# KiCad board ProDocument_ZYNQ7020_V1_2024-04-10.kicad_pcb (continued)
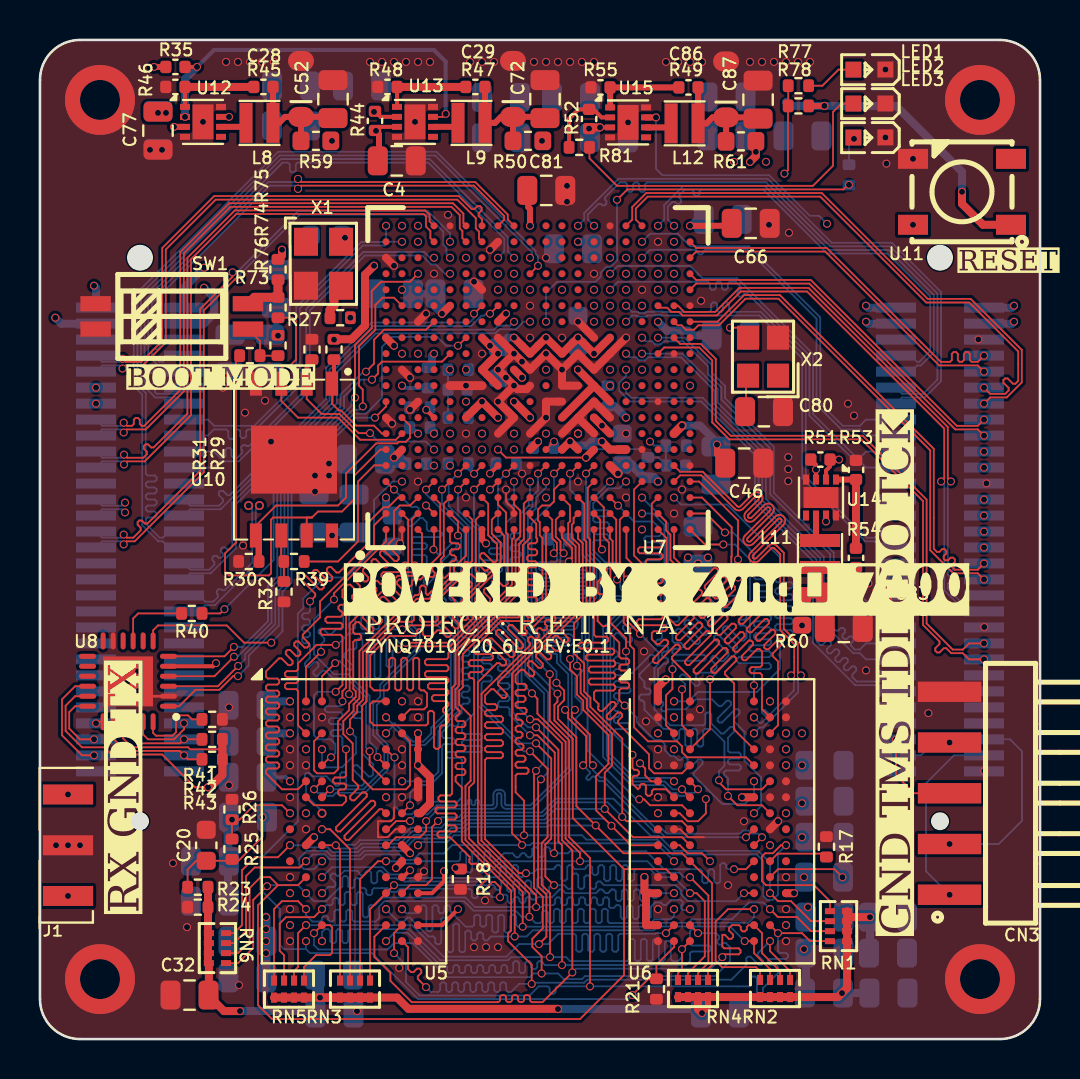
[diagram p0: board, top side]
## Routing (per net, layer and track width the routed paths; a pad name or vN(x,y) marks a point on that pad's centre or on a via; arc(x,y) is an arc through that point) (continued)
BIO_3_P: length 20.4
  BOTTOM w0.09: CN2.39 8.7,28.6 9.01,28.91 9.94,28.91 13.49,32.46 13.49,36.46 16.24,39.21 19.12,39.21 19.56,38.77 19.78,38.77 20.25,38.3 v1(20.5,38.3)
BIO_4_N: length 27.9
  TOP_GND w0.09: U7.D20 19.48,40.92 19.48,41.25 19.26,41.47 9.74,41.47 7.37,39.1 7.37,31.3 5.68,29.61 5.55,29.61 5.4,29.76 5.28,29.76 5.19,29.68 5.19,29.55 5.34,29.4 5.34,29.27 5.16,29.09 4.36,29.09 v1(4.2,29.24)
  BOTTOM w0.09: CN2.42 3.11,29.09 4.05,29.09 v1(4.2,29.24)
BIO_4_P: length 27.9
  TOP_GND w0.09: U7.D19 19.52,40.08 19.52,40.44 19.3,40.66 19.3,41.17 19.18,41.29 9.82,41.29 7.55,39.02 7.55,31.22 5.24,28.91 4.36,28.91 v1(4.2,28.75)
  BOTTOM w0.09: CN2.40 3.11,28.91 4.05,28.91 v1(4.2,28.75)
BIO_5_N: length 31.1
  TOP_GND w0.09: v1(4.18,25.25) 4.34,25.09 4.66,25.09 5.03,25.46 5.03,25.59 4.88,25.74 4.88,25.87 4.97,25.95 5.09,25.95 5.25,25.8 5.37,25.8 8.01,28.44 8.01,36.54 9.63,38.15 v1(9.63,38.37)
  BOTTOM w0.09: CN2.32 3.11,25.09 4.03,25.09 v1(4.18,25.25) ; v1(9.63,38.37) 9.85,38.37 12.91,41.44 19.39,41.44 20.5,40.33 v1(20.5,39.9)
BIO_5_P: length 31.1
  TOP_GND w0.09: v1(4.18,24.76) 4.34,24.91 4.74,24.91 8.19,28.36 8.19,36.46 9.75,38.03 v1(9.97,38.03)
  BOTTOM w0.09: v1(4.18,24.76) 4.03,24.91 3.11,24.91 CN2.30 ; v1(20.5,39.1) 20.32,39.28 20.32,39.61 20.16,39.76 20.16,40.41 19.31,41.26 12.99,41.26 9.97,38.25 v1(9.97,38.03)
BIO_12_N: length 42.3
  BOTTOM w0.09: v1(24.5,39.1) 24.6,39.2 24.6,39.37 19.75,44.22 11.98,44.22 4.87,37.11 4.87,32.75 5.29,32.33 5.29,28.29 5.38,28.2 5.74,28.2 5.83,28.11 5.83,27.99 5.74,27.9 5.38,27.9 5.29,27.81 5.29,27.69 5.38,27.6 5.74,27.6 5.83,27.51 5.83,27.39 5.74,27.3 5.38,27.3 5.29,27.21 5.29,27.09 5.38,27 5.74,27 5.83,26.91 5.83,26.79 5.74,26.7 5.38,26.7 5.29,26.61 5.29,26.49 5.38,26.4 5.74,26.4 5.83,26.31 5.83,26.19 5.74,26.1 5.38,26.1 5.29,26.01 5.29,25.79 5.99,25.09 6.14,25.09 6.45,25.4 CN2.31
BIO_12_P: length 40.7
  TOP_GND w0.09: U7.K17 v1(24.9,38.7)
  BOTTOM w0.09: v1(24.9,38.7) 24.9,39.17 24.78,39.29 24.78,39.45 19.83,44.4 11.9,44.4 5.11,37.61 4.69,37.19 4.69,32.67 5.11,32.25 5.11,25.71 5.91,24.91 6.14,24.91 6.45,24.6 CN2.29
BIO_13_N: length 26.4
  SIGNAL2 w0.09: v1(22.9,38.3) 22.59,37.99 22.46,37.99 21.96,37.49 20.64,37.49 20.24,37.89 18.74,37.89 18.44,38.19 15.91,38.19 9.41,31.69 9.41,30.64 5.46,26.69 4.41,26.69 v1(4.25,26.84)
  BOTTOM w0.09: v1(4.25,26.84) 4.1,26.69 3.11,26.69 CN2.36
BIO_13_P: length 26.4
  SIGNAL2 w0.09: v1(22.9,37.5) 22.59,37.81 22.54,37.81 22.04,37.31 20.56,37.31 20.16,37.71 18.66,37.71 18.36,38.01 15.98,38.01 9.59,31.62 9.59,30.56 5.54,26.51 4.41,26.51 v1(4.25,26.35)
  BOTTOM w0.09: CN2.34 3.11,26.51 4.1,26.51 v1(4.25,26.35)
BIO_14_N: length 32.3
  BOTTOM w0.09: CN2.49 6.89,32.29 5.84,32.29 5.75,32.37 5.75,32.5 6.05,32.8 6.05,32.92 5.97,33.01 5.84,33.01 5.54,32.71 5.42,32.71 5.23,32.9 5.23,33.25 5.32,33.34 5.59,33.34 5.68,33.43 5.68,33.55 5.59,33.64 5.32,33.64 5.23,33.73 5.23,36.96 12.13,43.86 12.4,43.86 12.49,43.77 12.49,43.47 12.58,43.38 12.7,43.38 12.79,43.47 12.79,43.77 12.88,43.86 19.41,43.86 23.21,40.06 23.21,39.41 v1(22.9,39.1)
BIO_14_P: length 30.8
  BOTTOM w0.09: v1(23.7,39.1) 23.39,39.41 23.39,40.14 19.49,44.04 12.05,44.04 5.05,37.04 5.05,32.82 5.76,32.11 6.89,32.11 CN2.47
BIO_15_N: length 28.7
  TOP_GND w0.09: v1(4.19,30.84) 4.34,30.69 4.6,30.69 4.69,30.78 4.69,30.99 4.78,31.08 4.9,31.08 4.99,30.99 4.99,30.78 5.08,30.69 5.21,30.69 7.01,32.49 7.01,39.39 9.45,41.83 20.65,41.83 21.17,41.31 21.17,40.83 U7.F20
  BOTTOM w0.09: v1(4.19,30.84) 4.03,30.69 3.11,30.69 CN2.46
BIO_15_P: length 28.7
  TOP_GND w0.09: U7.F19 21.12,40.08 21.12,40.44 20.99,40.57 20.99,41.23 20.57,41.65 9.53,41.65 7.19,39.31 7.19,32.41 5.29,30.51 4.34,30.51 v1(4.19,30.36)
  BOTTOM w0.09: v1(4.19,30.36) 4.03,30.51 3.11,30.51 CN2.44
BIO_17_N: length 26.5
  TOP_GND w0.09: v1(12.9,42.55) 13.05,42.71 21.69,42.71 23.21,41.19 23.21,41.01 U7.H20
  BOTTOM w0.09: v1(12.9,42.55) 12.75,42.71 11.49,42.71 5.59,36.81 5.59,34.91 5.68,34.82 5.9,34.82 5.99,34.73 5.99,34.61 5.9,34.52 5.68,34.52 5.59,34.43 5.59,34.29 5.99,33.89 6.14,33.89 6.45,34.2 CN2.53
BIO_17_P: length 26.8
  TOP_GND w0.09: v1(12.9,43.05) 13.05,42.89 21.76,42.89 23.39,41.26 23.39,41.01 U7.J20
  BOTTOM w0.09: v1(12.9,43.05) 12.75,42.89 11.41,42.89 5.41,36.89 5.41,34.21 5.91,33.71 6.14,33.71 6.45,33.4 CN2.51
BIO_18_N: length 27.1
  TOP_GND w0.09: U7.G20 22.1,41.03 21.93,41.19 21.93,41.32 22.08,41.47 22.08,41.6 22,41.68 21.87,41.68 21.72,41.53 21.59,41.53 20.94,42.19 8.71,42.19 6.11,39.59 6.11,34.94 5.06,33.89 4.28,33.89 v1(4.13,34.04)
  BOTTOM w0.09: v1(4.13,34.04) 3.97,33.89 3.11,33.89 CN2.54
BIO_18_P: length 27.1
  TOP_GND w0.09: U7.G19 21.95,40.05 21.95,40.41 21.79,40.57 21.79,41.08 20.86,42.01 8.79,42.01 6.29,39.51 6.29,34.86 5.14,33.71 4.28,33.71 v1(4.13,33.55)
  BOTTOM w0.09: CN2.52 3.11,33.71 3.97,33.71 v1(4.13,33.55)
BIO_19_N: length 21
  TOP_GND w0.09: v1(21.7,36.3) U7.G15
  BOTTOM w0.09: CN2.35 7.51,26.69 8.95,26.69 9.15,26.88 9.15,27.01 8.94,27.22 8.94,27.35 9.02,27.43 9.15,27.43 9.36,27.22 9.49,27.22 14.3,32.04 14.3,33.59 16.57,35.86 21.48,35.86 21.7,36.08 v1(21.7,36.3)
BIO_19_P: length 21
  TOP_GND w0.09: U7.H15 v1(22.5,36.3)
  BOTTOM w0.09: v1(22.5,36.3) 22.3,36.3 22.2,36.2 22.07,36.2 21.55,35.68 16.65,35.68 14.48,33.51 14.48,31.96 9.03,26.51 7.51,26.51 CN2.33
BIO_20_N: length 24.8
  BOTTOM w0.09: v1(23.7,35.9) 23.5,35.7 22.9,35.7 22.7,35.5 16.72,35.5 14.66,33.44 14.66,31.89 9.61,26.84 9.61,24.64 9.48,24.51 9.35,24.51 9.25,24.61 9.13,24.61 9.04,24.53 9.04,24.4 9.14,24.3 9.14,24.17 9.06,24.08 8.93,24.08 8.83,24.19 8.7,24.19 8.62,24.1 8.62,23.97 8.72,23.87 8.72,23.75 8.46,23.49 7.51,23.49 CN2.27
BIO_20_P: length 24.8
  BOTTOM w0.09: CN2.25 7.51,23.31 8.54,23.31 9.79,24.56 9.79,26.76 14.84,31.81 14.84,33.36 16.8,35.32 22.77,35.32 22.97,35.52 23.79,35.52 24.17,35.9 v1(24.5,35.9)
BIO_22_P: length 20.7
  TOP_GND w0.09: v1(28.85,42) 29.37,42.52 40.17,42.52 40.4,42.75 v1(40.45,42.75)
  BOTTOM w0.09: v1(28.85,42) 28.85,38.98 28.51,38.64 28.32,38.64 28.03,38.35 28.03,38.16 27.77,37.9 25.85,37.9 25.3,37.35 v1(25.3,35.9)
BIO_24_N: length 28.4
  SIGNAL2 w0.09: v1(23.7,37.5) 23.55,37.34 23.22,37.34 22.75,36.88 15.36,36.88 10.61,32.13 10.61,26.88 v2(10.43,26.7)
  BOTTOM w0.09: CN2.23 7.95,22.2 8.26,21.89 8.66,21.89 8.89,22.12 8.89,22.25 8.84,22.3 8.84,22.43 8.93,22.51 9.05,22.51 9.11,22.46 9.23,22.46 10.61,23.84 10.61,26.52 v2(10.43,26.7)
BIO_24_P: length 29
  SIGNAL2 w0.09: v1(24.5,37.5) 24.32,37.32 23.99,37.32 23.84,37.17 23.29,37.17 22.83,36.7 15.44,36.7 10.79,32.05 10.79,26.88 v2(10.97,26.7)
  BOTTOM w0.09: CN2.21 7.95,21.4 8.26,21.71 8.74,21.71 10.79,23.76 10.79,26.52 v2(10.97,26.7)
DDR_A0: length 65.3
  TOP_GND w0.09: RN4.2 32.4,3.3 33.24,4.14 33.24,6.89 32.83,7.3 v1(32.5,7.3) ; v1(24.3,8.3) 23.95,8.3 22.25,10 22.25,13.85 22.25,13.97 22.34,14.06 23.06,14.06 23.15,14.15 23.15,14.27 23.06,14.36 22.34,14.36 22.25,14.45 22.25,14.57 22.34,14.66 23.06,14.66 23.15,14.75 23.15,14.87 23.06,14.96 22.34,14.96 22.25,15.05 22.25,15.17 22.34,15.26 23.06,15.26 23.15,15.35 23.15,15.47 23.06,15.56 22.34,15.56 22.25,15.65 22.25,15.77 22.34,15.86 23.06,15.86 23.15,15.95 23.15,16.07 23.06,16.16 22.34,16.16 22.25,16.25 22.25,16.37 22.34,16.46 22.76,16.46 22.85,16.55 22.85,16.67 22.76,16.76 22.34,16.76 22.25,16.85 22.25,17.2 22.56,17.51 22.69,17.51 23.12,17.07 23.25,17.07 23.34,17.15 23.34,17.28 22.9,17.72 22.9,17.84 26.96,21.91 26.96,24.73 26.59,25.1 26.59,25.74 26.68,25.83 26.68,26.08 U7.N2
  BOTTOM w0.09: v1(32.5,7.3) 31.7,8.1 30.91,8.1 30.51,8.5 29.8,8.5 29.71,8.41 29.71,8 29.62,7.91 29.5,7.91 29.41,8 29.41,8.61 29.32,8.7 29.2,8.7 29.11,8.61 29.11,8 29.02,7.91 28.9,7.91 28.81,8 28.81,8.61 28.72,8.7 28.6,8.7 28.51,8.61 28.51,8 28.42,7.91 28.3,7.91 28.21,8 28.21,8.61 28.12,8.7 28,8.7 27.91,8.61 27.91,8.3 27.82,8.21 27.7,8.21 27.61,8.3 27.61,8.61 27.52,8.7 27.4,8.7 27.31,8.61 27.31,8.59 27.22,8.5 26.75,8.5 26.66,8.59 26.66,8.61 26.57,8.7 26.45,8.7 26.36,8.61 26.36,8.02 26.27,7.93 26.15,7.93 26.06,8.02 26.06,8.61 25.97,8.7 25.85,8.7 25.76,8.61 25.76,8.59 25.67,8.5 24.85,8.5 24.65,8.3 v1(24.3,8.3) 24.1,8.1 24,8.1 23.91,8.19 23.91,8.62 23.82,8.71 23.7,8.71 23.61,8.62 23.61,8.19 23.52,8.1 23.4,8.1 23.31,8.19 23.31,8.57 23.22,8.66 23.1,8.66 23.01,8.57 23.01,8.19 22.92,8.1 22.5,8.1 22.28,7.88 18.22,7.88 18.1,8 17.87,8 17.82,8.05 17.42,8.05 17.05,8.42 16.95,8.42 16.86,8.33 16.86,7.88 16.77,7.79 16.65,7.79 16.56,7.88 16.56,8.33 16.47,8.42 16.35,8.42 16.26,8.33 16.26,8.28 16.17,8.19 16.05,8.19 15.96,8.28 15.96,8.33 15.87,8.42 15.22,8.42 14.97,8.17 14.85,8.17 14.74,8.28 14.61,8.28 14.53,8.19 14.53,8.06 14.77,7.82 14.77,7.69 14.69,7.61 14.56,7.61 14.55,7.62 14.42,7.62 v1(14.1,7.3)
DDR_A1: length 64.8
  TOP_GND w0.09: RN2.1 36,3.4 35.8,3.6 34.1,3.6 33.78,3.92 33.78,5.88 34.4,6.5 v1(35.7,6.5) ; U7.K2 24.5,26.1 24.81,25.79 24.81,25.09 24.86,25.04 24.86,24.9 24.77,24.81 24.5,24.81 24.41,24.72 24.41,24.6 24.5,24.51 24.77,24.51 24.86,24.42 24.86,24.3 24.77,24.21 24.45,24.21 24.36,24.12 24.36,24 24.45,23.91 24.77,23.91 24.86,23.82 24.86,23.7 24.77,23.61 24.45,23.61 24.36,23.52 24.36,23.4 24.45,23.31 24.77,23.31 24.86,23.22 24.86,23.1 24.77,23.01 24.45,23.01 24.36,22.92 24.36,22.8 24.45,22.71 24.77,22.71 24.86,22.62 24.86,22.5 24.77,22.41 24.3,22.41 24.21,22.32 24.21,22.2 24.3,22.11 24.77,22.11 24.86,22.02 24.86,21.33 24.63,21.1 24.4,21.1 24.31,21.19 24.31,21.41 24.22,21.5 24.1,21.5 24.01,21.41 24.01,21.19 23.92,21.1 22.97,21.1 21.14,19.27 21.14,17.61 20.96,17.43 20.96,16.74 21.53,16.17 21.53,12.92 21.27,12.66 21.27,9.96 23.73,7.5 v1(23.73,5.13)
  BOTTOM w0.09: v1(17.3,6.5) 17.92,5.88 18.19,5.88 18.28,5.97 18.28,5.99 18.37,6.08 18.49,6.08 18.58,5.99 18.58,5.97 19.42,5.13 19.67,5.13 19.76,5.04 19.76,4.83 19.85,4.74 19.97,4.74 20.06,4.83 20.06,5.99 20.15,6.08 20.27,6.08 20.36,5.99 20.36,4.43 20.45,4.34 20.57,4.34 20.66,4.43 20.66,5.69 20.75,5.78 20.87,5.78 20.96,5.69 20.96,4.43 21.05,4.34 21.17,4.34 21.26,4.43 21.26,5.34 21.35,5.43 21.47,5.43 21.56,5.34 21.56,5.02 21.65,4.93 21.77,4.93 21.86,5.02 21.86,5.24 21.95,5.33 22.07,5.33 22.16,5.24 22.16,5.02 22.25,4.93 22.37,4.93 22.46,5.02 22.46,5.04 22.55,5.13 v1(23.73,5.13) 24.33,5.13 24.65,5.45 30.69,5.45 30.88,5.63 32.48,5.63 32.66,5.81 35.41,5.81 35.7,6.1 v1(35.7,6.5)
DDR_A2: length 65.3
  TOP_GND w0.09: v1(14.1,6.5) 13.7,6.1 12.3,6.1 11.98,5.78 11.98,4.42 12.2,4.2 RN5.2 ; U7.M3 26.5,26.7 26.5,25.9 26.41,25.81 26.41,25.03 26.78,24.66 26.78,23.3 26.69,23.21 25.9,23.21 25.81,23.12 25.81,23 25.9,22.91 26.69,22.91 26.78,22.82 26.78,22.7 26.69,22.61 25.9,22.61 25.81,22.52 25.81,22.4 25.9,22.31 26.69,22.31 26.78,22.22 26.78,21.98 26.53,21.73 26.41,21.73 26.27,21.86 26.15,21.86 26.06,21.78 26.06,21.65 26.19,21.52 26.19,21.39 26.11,21.31 25.98,21.31 25.74,21.55 25.62,21.55 25.53,21.46 25.53,21.33 25.77,21.1 25.77,20.97 25.68,20.88 25.56,20.88 25.46,20.98 25.33,20.98 25.25,20.9 25.25,20.77 25.34,20.67 25.34,20.54 25.26,20.46 25.13,20.46 25.04,20.56 24.91,20.56 24.82,20.47 24.82,20.34 24.92,20.25 24.92,20.12 24.84,20.04 24.71,20.04 24.61,20.13 24.48,20.13 24.4,20.05 24.4,19.92 24.5,19.82 24.5,19.7 22.07,17.27 22.07,9.93 24.8,7.2 v1(24.8,6.6)
  BOTTOM w0.09: v1(32.5,6.5) 32.47,6.53 32.35,6.53 32.27,6.45 32.15,6.45 32.06,6.53 32.06,6.66 32.14,6.74 32.14,6.86 32.03,6.96 31.56,6.97 31.31,6.71 31.16,6.71 31.04,6.83 30.76,6.83 30.54,6.61 30.54,6.1 30.45,6.01 30.33,6.01 30.24,6.1 30.24,6.61 30.15,6.7 30.03,6.7 29.94,6.61 29.94,6.1 29.85,6.01 29.73,6.01 29.64,6.1 29.64,6.61 29.55,6.7 29.43,6.7 29.34,6.61 29.34,6.1 29.25,6.01 29.13,6.01 29.04,6.1 29.04,6.61 28.95,6.7 28.83,6.7 28.69,6.57 28.52,6.57 28.46,6.63 28.46,7 28.37,7.09 28.25,7.09 28.16,7 28.16,6.79 28.07,6.7 27.95,6.7 27.86,6.79 27.86,7 27.77,7.09 27.65,7.09 27.56,7 27.56,6.79 27.47,6.7 27.35,6.7 27.26,6.79 27.26,7 27.17,7.09 27.05,7.09 26.96,7 26.96,6.79 26.87,6.7 26.75,6.7 26.66,6.79 26.66,7 26.57,7.09 26.45,7.09 26.36,7 26.36,6.79 26.27,6.7 26.15,6.7 26.06,6.79 26.06,7 25.97,7.09 25.85,7.09 25.76,7 25.76,6.79 25.67,6.7 25.2,6.7 25.1,6.6 v1(24.8,6.6) 21.75,6.6 21.27,7.08 17.13,7.08 16.75,6.7 16.52,6.7 16.43,6.61 16.43,6.18 16.34,6.09 16.22,6.09 16.13,6.18 16.13,7.27 16.04,7.36 15.92,7.36 15.83,7.27 15.83,6.79 15.74,6.7 15.62,6.7 15.53,6.79 15.53,7.27 15.44,7.36 15.32,7.36 15.23,7.27 15.23,6.79 15.14,6.7 15.02,6.7 14.93,6.79 14.93,6.97 14.84,7.06 14.72,7.06 14.63,6.97 14.63,6.79 14.54,6.7 14.3,6.7 v1(14.1,6.5)
DDR_A3: length 64.1
  TOP_GND w0.09: RN6.4 9.9,3.8 10.66,4.56 10.66,6.96 v1(11.35,7.65) ; v1(23,7.1) 23,7.6 22.74,7.86 22.61,7.86 22.08,7.33 21.96,7.33 21.87,7.41 21.87,7.54 22.4,8.07 22.4,8.2 21.82,8.78 21.7,8.78 21.68,8.76 21.55,8.76 21.47,8.85 21.47,8.98 21.48,8.99 21.48,9.12 20.51,10.09 19.96,10.09 19.87,10.18 19.87,10.3 19.96,10.39 20.74,10.39 20.83,10.48 20.83,10.6 20.74,10.69 20.41,10.69 20.32,10.78 20.32,10.9 20.41,10.99 20.74,10.99 20.83,11.08 20.83,11.2 20.74,11.29 19.86,11.29 19.77,11.38 19.77,11.5 19.86,11.59 20.74,11.59 20.83,11.68 20.83,11.8 20.74,11.89 20.01,11.89 19.92,11.98 19.92,12.1 20.01,12.19 20.51,12.19 20.6,12.28 20.6,17.58 20.78,17.76 20.78,19.42 23.96,22.6 23.96,24.79 24.19,25.02 24.19,26.79 U7.K3
  BOTTOM w0.09: v1(31.7,7.3) 30.98,7.3 30.89,7.21 30.89,7.15 30.8,7.06 30.68,7.06 30.59,7.15 30.59,7.4 30.5,7.49 30.38,7.49 30.29,7.4 30.29,7 30.2,6.91 30.08,6.91 29.99,7 29.99,7.4 29.9,7.49 29.78,7.49 29.69,7.4 29.69,7 29.6,6.91 29.48,6.91 29.39,7 29.39,7.4 29.3,7.49 29.18,7.49 29.09,7.4 29.09,7 29,6.91 28.88,6.91 28.79,7 28.79,7.4 28.7,7.49 28.58,7.49 28.49,7.4 28.49,7.39 28.4,7.3 28.28,7.3 28.19,7.39 28.19,7.4 28.1,7.49 27.98,7.49 27.89,7.4 27.89,7.39 27.8,7.3 26.28,7.3 26.19,7.39 26.19,7.4 26.1,7.49 25.98,7.49 25.89,7.4 25.89,7.39 25.6,7.1 24.9,7.1 24.78,6.98 24.6,6.98 24.48,7.1 24.36,7.1 24.27,7.01 24.27,6.9 24.18,6.81 24.06,6.81 23.97,6.9 23.97,7.01 23.88,7.1 23.76,7.1 23.67,7.01 23.67,6.9 23.58,6.81 23.46,6.81 23.37,6.9 23.37,7.16 23.31,7.23 23.13,7.23 v1(23,7.1) 22.6,7.1 22.18,7.52 21.98,7.52 21.89,7.43 21.89,7.14 21.8,7.05 21.68,7.05 21.59,7.14 21.59,7.43 21.5,7.52 17.99,7.52 17.84,7.36 17.56,7.36 17.38,7.55 16.7,7.55 16.61,7.46 16.61,7.29 16.52,7.2 16.4,7.2 16.31,7.29 16.31,7.46 16.22,7.55 16.1,7.55 16.01,7.64 16.01,7.96 15.92,8.05 15.8,8.05 15.71,7.96 15.71,7.64 15.62,7.55 15.5,7.55 15.41,7.64 15.41,8.06 15.32,8.15 15.2,8.15 15.11,8.06 15.11,7.64 15.02,7.55 14.95,7.55 14.3,6.9 13.7,6.9 v1(13.3,7.3) 12.9,7.7 11.4,7.7 v1(11.35,7.65)
DDR_A4: length 61.5
  TOP_GND w0.09: RN1.2 38.55,5.4 37.84,6.11 36.89,6.11 v1(36.5,6.5) ; v1(24.13,5.63) 24.13,7.36 21.45,10.04 21.45,12.59 21.71,12.85 21.71,17.97 21.62,18.06 21.52,18.06 21.43,18.15 21.43,18.27 21.52,18.36 22.05,18.36 22.14,18.45 22.14,18.57 22.05,18.66 21.52,18.66 21.43,18.75 21.43,18.87 21.52,18.96 22.55,18.96 22.64,19.05 22.64,19.17 22.55,19.26 21.8,19.26 21.71,19.35 21.71,19.59 23.05,20.92 24.7,20.92 25.12,21.34 25.12,25.08 24.99,25.21 24.99,25.86 24.9,25.95 24.9,26.5 25.1,26.7 25.5,26.7 25.7,26.9 25.7,27.5 U7.M4
  BOTTOM w0.09: v1(36.5,6.5) 36.16,6.84 35.44,6.84 34.6,6 32.59,5.99 32.41,5.82 30.81,5.81 30.62,5.63 v1(24.13,5.63) 23.9,5.63 23.81,5.72 23.81,6.13 23.72,6.22 23.6,6.22 23.51,6.13 23.51,5.42 23.42,5.33 23.3,5.33 23.21,5.42 23.21,6.13 23.12,6.22 23,6.22 22.91,6.13 22.91,5.42 22.82,5.33 22.7,5.33 22.61,5.42 22.61,6.13 22.52,6.22 22.4,6.22 22.31,6.13 22.31,5.72 22.22,5.63 22.1,5.63 22.01,5.72 22.01,6.13 21.92,6.22 21.8,6.22 21.71,6.13 21.71,5.72 21.62,5.63 21.28,5.63 20.52,6.39 20.52,6.6 20.43,6.69 20.31,6.69 20.22,6.6 20.22,6.39 20.13,6.3 20.01,6.3 19.92,6.39 19.92,6.6 19.83,6.69 19.71,6.69 19.62,6.6 19.62,5.5 19.53,5.41 19.41,5.41 19.32,5.5 19.32,6.6 19.23,6.69 19.11,6.69 19.02,6.6 19.02,6.39 18.93,6.3 18.3,6.3 v1(18.1,6.5)
DDR_A5: length 65.4
  TOP_GND w0.09: v1(24.47,6.12) 24.47,7.28 21.89,9.85 21.89,17.86 22.85,18.81 22.98,18.81 23.09,18.69 23.22,18.69 23.31,18.78 23.31,18.9 22.38,19.84 22.38,19.96 22.46,20.05 22.59,20.05 23.52,19.12 23.65,19.12 23.73,19.2 23.73,19.33 22.8,20.26 22.8,20.39 22.88,20.47 23.01,20.47 23.94,19.54 24.07,19.54 24.16,19.63 24.16,19.75 23.4,20.51 23.4,20.64 23.49,20.72 23.61,20.72 24.12,20.21 24.25,20.21 24.33,20.3 24.33,20.42 24.25,20.51 24.25,20.64 24.33,20.72 24.46,20.72 24.55,20.64 24.67,20.64 25.3,21.26 U7.L1 ; v1(13.3,6.5) 12.9,6.9 12.1,6.9 11.7,6.5 RN5.1
  BOTTOM w0.09: v1(31.7,6.5) 31.7,6.15 31.54,5.99 30.73,5.99 30.54,5.81 28.48,5.81 28.39,5.9 28.39,6.43 28.3,6.52 28.18,6.52 28.09,6.43 28.09,5.9 28,5.81 27.88,5.81 27.79,5.9 27.79,6.43 27.7,6.52 27.58,6.52 27.49,6.43 27.49,5.9 27.4,5.81 27.28,5.81 27.19,5.9 27.19,6.43 27.1,6.52 26.98,6.52 26.89,6.43 26.89,5.9 26.8,5.81 26.68,5.81 26.59,5.9 26.59,6.43 26.5,6.52 26.38,6.52 26.29,6.43 26.29,5.9 26.2,5.81 26.08,5.81 25.99,5.9 25.99,6.43 25.9,6.52 25.78,6.52 25.69,6.43 25.69,5.9 25.6,5.81 25.48,5.81 25.39,5.9 25.39,6.33 25.3,6.42 25.18,6.42 25.09,6.33 25.09,5.9 25,5.81 24.78,5.81 v1(24.47,6.12) 24.08,6.12 23.78,6.42 21.68,6.42 21.2,6.9 17.23,6.9 16.96,6.64 16.96,6.07 16.78,5.88 15.7,5.88 15.61,5.97 15.61,6.38 15.52,6.47 15.4,6.47 15.31,6.38 15.31,5.97 15.22,5.88 15.1,5.88 15.01,5.97 15.01,6.38 14.92,6.47 14.8,6.47 14.71,6.38 14.71,5.97 14.62,5.88 14.5,5.88 14.41,5.97 14.41,6.08 14.32,6.17 14.2,6.17 14.11,6.08 14.11,5.97 14.02,5.88 13.62,5.88 13.3,6.2 v1(13.3,6.5)
DDR_A6: length 58.7
  TOP_GND w0.09: RN1.1 38.5,4.9 38.1,5.3 v1(36.9,5.3) U6.R8 ; v1(27.5,2.64) 27.5,9.06 26.46,10.1 26.46,14.95 25.49,15.92 v1(25.49,18.26) ; v1(17.7,4.3) 17.7,5.3 U5.R8
  BOTTOM w0.09: v1(17.7,4.3) 18.3,3.7 18.3,2.86 18.97,2.18 24.48,2.18 24.94,2.64 25.36,2.64 arc(25.44,2.6) 25.48,2.52 25.48,2.39 arc(25.52,2.3) 25.6,2.27 25.66,2.27 arc(25.74,2.3) 25.78,2.39 25.78,2.52 arc(25.82,2.6) 25.9,2.64 v1(27.5,2.64) 35.46,2.64 35.55,2.73 35.55,3.04 35.64,3.13 35.76,3.13 35.85,3.04 35.85,2.23 35.94,2.14 36.06,2.14 36.15,2.23 36.15,2.55 36.9,3.3 36.9,3.62 36.81,3.71 36.5,3.71 36.41,3.8 36.41,3.92 36.5,4.01 37.3,4.01 37.39,4.1 37.39,4.22 37.3,4.31 36.99,4.31 36.9,4.4 v1(36.9,5.3) ; v1(25.3,27.9) 25.3,27.6 24.8,27.1 24.8,26.56 24.4,26.16 24.4,20.6 24.8,20.19 24.8,18.94 v1(25.49,18.26)
DDR_A7: length 55.9
  TOP_GND w0.09: v1(25.04,13) 24.91,12.86 24.91,7.64 25.32,7.23 25.32,5.12 v1(24.95,4.75) ; U6.R2 v1(31.3,5.3) ; v1(13.3,5.7) 12.9,5.3 12.9,3.6 12.7,3.4 12.7,3
  BOTTOM w0.09: v1(13.3,5.7) 18.6,5.7 20.17,4.12 23.32,4.12 23.95,4.75 v1(24.95,4.75) 25.4,4.75 25.92,5.27 26.72,5.26 26.81,5.17 26.81,4.46 26.9,4.37 27.02,4.37 27.11,4.46 27.11,5.18 27.2,5.27 27.32,5.26 27.41,5.17 27.41,4.46 27.5,4.37 27.62,4.37 27.71,4.46 27.71,5.18 27.8,5.27 27.92,5.26 28.01,5.17 28.01,4.46 28.1,4.37 28.22,4.37 28.31,4.46 28.31,5.18 28.4,5.27 28.52,5.26 28.61,5.17 28.61,4.46 28.7,4.37 28.82,4.37 28.91,4.46 28.91,5.18 29,5.27 30.77,5.27 30.8,5.3 v1(31.3,5.3) ; v1(25.04,13) 25.4,13.35 25.4,17.35 24.44,18.31 24.44,20.04 24.04,20.45 24.04,23.72 23.95,23.81 23.61,23.81 23.52,23.9 23.52,24.02 23.61,24.11 23.95,24.11 24.04,24.2 24.04,24.32 23.95,24.41 23.61,24.41 23.52,24.5 23.52,24.62 23.61,24.71 23.95,24.71 24.04,24.8 24.04,24.92 23.95,25.01 23.61,25.01 23.52,25.1 23.52,25.22 23.61,25.31 23.95,25.31 24.04,25.4 24.04,26.31 24.44,26.71 24.44,27.25 24.5,27.31 v1(24.5,27.9)
DDR_A8: length 59.8
  TOP_GND w0.09: v1(24.58,2.76) 24.58,3.72 23.4,4.9 23.4,5.27 23.55,5.43 23.55,7.43 21.09,9.89 21.09,12.59 20.78,12.9 20.78,13.12 20.87,13.21 21.18,13.21 21.27,13.3 21.27,13.42 21.18,13.51 20.87,13.51 20.78,13.6 20.78,13.72 20.87,13.81 21.18,13.81 21.27,13.9 21.27,14.02 21.18,14.11 20.87,14.11 20.78,14.2 20.78,14.32 20.87,14.41 21.18,14.41 21.27,14.5 21.27,14.62 21.18,14.71 20.87,14.71 20.78,14.8 20.78,14.92 20.87,15.01 21.18,15.01 21.27,15.1 21.27,15.22 21.18,15.31 20.87,15.31 20.78,15.4 20.78,15.52 20.87,15.61 21.18,15.61 21.27,15.7 21.27,15.82 21.18,15.91 20.87,15.91 20.78,16 20.78,16.12 20.87,16.21 20.89,16.21 20.98,16.3 20.98,16.42 20.89,16.51 20.87,16.51 20.78,16.6 20.78,17.51 20.96,17.69 20.96,19.34 24.14,22.52 24.14,24.71 24.5,25.07 U7.K1 ; v1(19.3,2.6) 18.89,3.01 18.89,3.14 19.06,3.31 19.06,3.44 18.98,3.52 18.85,3.52 18.68,3.35 18.55,3.35 18.4,3.5 18.4,4.6 U5.T8 ; RN2.4 37.5,3.4 36.5,4.4 v1(36.5,4.9)
  BOTTOM w0.09: v1(19.3,2.6) 19.54,2.36 19.92,2.36 20.01,2.45 20.01,2.75 20.1,2.84 20.22,2.84 20.31,2.75 20.31,2.45 20.4,2.36 20.52,2.36 20.61,2.45 20.61,2.75 20.7,2.84 20.82,2.84 20.91,2.75 20.91,2.45 21,2.36 21.12,2.36 21.21,2.45 21.21,2.75 21.3,2.84 21.42,2.84 21.51,2.75 21.51,2.45 21.6,2.36 21.72,2.36 21.81,2.45 21.81,2.75 21.9,2.84 22.02,2.84 22.11,2.75 22.11,2.45 22.2,2.36 22.32,2.36 22.41,2.45 22.41,2.75 22.5,2.84 22.62,2.84 22.71,2.75 22.71,2.45 22.8,2.36 22.92,2.36 23.01,2.45 23.01,2.75 23.1,2.84 23.22,2.84 23.31,2.75 23.31,2.45 23.4,2.36 23.56,2.36 23.96,2.76 v1(24.58,2.76) 24.64,2.82 27.21,2.82 27.36,2.97 34.57,2.97 35.35,3.75 35.35,3.88 35.31,3.91 35.31,4.04 35.4,4.12 35.53,4.12 35.94,3.71 36.06,3.71 36.15,3.8 36.15,3.93 35.9,4.17 35.9,4.3 v1(36.5,4.9)
DDR_A9: length 58.1
  TOP_GND w0.09: v1(32.9,5.3) U6.R3 ; v1(13.7,5.3) U5.R3 14.5,5.7 14.6,5.6 14.6,4.3 14.5,4.2 13.8,4.2 13.2,3.6 RN5.4 ; v1(25.08,3.28) 25.08,4.14 24.61,4.61 24.62,5.02 25.14,5.54 25.14,7.11 24.7,7.55 24.7,13.32 v1(24.8,13.42)
  BOTTOM w0.09: v1(24.8,13.42) 25.2,13.82 25.2,17.3 24.26,18.24 24.26,19.97 23.3,20.93 23.3,25.83 23.7,26.23 23.7,26.62 23.61,26.71 23.41,26.71 23.32,26.8 23.32,26.92 23.41,27.01 23.61,27.01 23.7,27.1 v1(23.7,27.9) ; v1(32.9,5.3) 33.8,5.3 33.95,5.15 33.95,5.02 33.86,4.94 33.86,4.81 33.95,4.72 34.08,4.72 34.16,4.81 34.29,4.81 34.5,4.6 34.5,3.9 33.75,3.15 27.25,3.15 27.1,3 26.18,3 25.9,3.28 v1(25.08,3.28) 24.68,3.28 24.5,3.1 20.35,3.1 18.65,4.8 17.7,4.8 17.38,4.48 13.92,4.48 13.7,4.7 v1(13.7,5.3)
DDR_A10: length 62.1
  TOP_GND w0.09: v1(34.7,8.5) 35.3,8.5 U6.L7 ; v1(17.3,8.9) 16.9,8.9 16,8 RN3.3 ; v1(24.5,15.2) 24.87,15.2 25.74,14.33 25.74,9.34 v1(25.7,9.3) ; U7.F5 v1(20.9,28.3)
  BOTTOM w0.09: v1(24.5,15.2) 23.48,16.22 23.48,16.52 23.39,16.61 22.99,16.61 22.9,16.7 22.9,16.82 22.99,16.91 23.39,16.91 23.48,17 23.48,17.12 23.39,17.21 22.99,17.21 22.9,17.3 22.9,17.42 22.99,17.51 23.39,17.51 23.48,17.6 23.48,17.72 23.39,17.81 22.99,17.81 22.9,17.9 22.9,18.02 22.99,18.11 23.39,18.11 23.48,18.2 23.48,18.32 23.39,18.41 22.99,18.41 22.9,18.5 22.9,18.62 22.99,18.71 23.39,18.71 23.48,18.8 23.48,18.92 23.39,19.01 22.99,19.01 22.9,19.1 22.9,19.22 22.99,19.31 23.39,19.31 23.48,19.4 23.48,19.73 21.6,21.61 21.59,25.51 20.43,26.67 20.43,27.83 v1(20.9,28.3) ; v1(34.7,8.5) 34.4,8.5 34.31,8.59 34.31,8.71 34.22,8.8 34.1,8.8 34.01,8.71 34.01,7.89 33.92,7.8 33.8,7.8 33.71,7.89 33.71,8.41 33.62,8.5 33.5,8.5 33.41,8.41 33.41,7.89 33.32,7.8 33.2,7.8 33.11,7.89 33.11,8.41 33.02,8.5 31.2,8.5 30.3,9.4 26.5,9.4 26.4,9.3 v1(25.7,9.3) 25.6,9.3 25.51,9.39 25.51,9.51 25.42,9.6 25.3,9.6 25.21,9.51 25.21,9.19 25.12,9.1 25,9.1 24.91,9.19 24.91,9.51 24.82,9.6 24.7,9.6 24.61,9.51 24.61,9.19 24.52,9.1 24.4,9.1 24.31,9.19 24.31,9.21 24.22,9.3 24.1,9.3 24.01,9.21 24.01,9.19 23.92,9.1 23.8,9.1 23.71,9.19 23.71,9.21 23.62,9.3 23.2,9.3 22.8,8.9 22.6,8.9 22.51,8.99 22.51,9.32 22.42,9.41 22.3,9.41 22.21,9.32 22.21,8.43 22.12,8.34 22,8.34 21.91,8.43 21.91,9.32 21.82,9.41 21.7,9.41 21.61,9.32 21.61,8.43 21.52,8.34 21.4,8.34 21.31,8.43 21.31,9.32 21.22,9.41 21.1,9.41 21.01,9.32 21.01,8.99 20.92,8.9 18.85,8.9 18.74,8.78 18.16,8.79 18.05,8.9 v1(17.3,8.9)
DDR_A11: length 58.7
  TOP_GND w0.09: RN2.3 37,3.4 36.1,4.3 36.1,5.3 U6.R7 35.43,5.7 35.34,5.61 35.34,5.48 35.25,5.39 35.13,5.39 35.04,5.48 35.04,5.61 34.95,5.7 34.6,5.7 34.45,5.55 34.45,5.43 34.65,5.23 34.65,5.1 34.57,5.02 34.44,5.02 34.24,5.22 34.11,5.22 34.11,4.63 34.2,4.54 34.94,4.54 35.03,4.45 35.03,4.33 34.94,4.24 34.2,4.24 34.11,4.15 v1(34.11,4.1) ; v1(24.5,16) 24.9,16 26.1,14.8 26.1,9.95 26.61,9.44 v1(26.61,3.33) 25.13,1.85 24.62,1.85 arc(24.54,1.88) 24.5,1.97 24.5,2.08 arc(24.47,2.16) 24.38,2.2 24.32,2.2 arc(24.24,2.16) 24.2,2.08 24.2,1.97 arc(24.17,1.88) 24.08,1.85 24.02,1.85 arc(23.94,1.88) 23.9,1.97 23.9,2.08 arc(23.87,2.16) 23.78,2.2 23.72,2.2 arc(23.64,2.16) 23.6,2.08 23.6,1.97 arc(23.57,1.88) 23.48,1.85 23.42,1.85 arc(23.34,1.88) 23.3,1.97 23.3,2.08 arc(23.27,2.16) 23.18,2.2 23.12,2.2 arc(23.04,2.16) 23,2.08 23,1.97 arc(22.97,1.88) 22.88,1.85 18.59,1.85 17.52,2.91 17.52,3.31 16.72,4.11 16.72,5.12 U5.R7 ; U7.G4 v1(21.7,27.5)
  BOTTOM w0.09: v1(24.5,16) 23.9,16.6 23.9,19.82 21.95,21.76 21.95,25.66 21.7,25.92 v1(21.7,27.5) ; v1(26.61,3.33) 26.8,3.52 33.54,3.52 v1(34.11,4.1)
DDR_A12: length 58.5
  TOP_GND w0.09: U6.N7 v1(35.2,7.3) ; v1(25.7,7.7) 25.26,8.13 25.27,9.74 25.56,10.03 25.56,14.04 v1(24.8,14.8) ; v1(17.7,7.7) U5.N7 16.5,6.5 RN3.4 ; U7.E4 v1(20.1,27.5)
  BOTTOM w0.09: v1(20.1,27.5) 20.1,26.75 21.41,25.44 21.41,21.54 22.08,20.87 22.08,20.69 22.17,20.6 22.25,20.6 22.34,20.51 22.34,20.39 22.25,20.3 22.17,20.3 22.08,20.21 22.08,20.09 22.17,20 22.5,20 22.59,19.91 22.59,19.79 22.5,19.7 22.17,19.7 22.08,19.61 22.08,19.49 22.17,19.4 22.5,19.4 22.59,19.31 22.59,19.19 22.5,19.1 22.17,19.1 22.08,19.01 22.08,18.89 22.17,18.8 22.5,18.8 22.59,18.71 22.59,18.59 22.5,18.5 22.17,18.5 22.08,18.41 22.08,18.29 22.17,18.2 22.5,18.2 22.59,18.11 22.59,17.99 22.5,17.9 22.17,17.9 22.08,17.81 22.08,16.77 24.05,14.8 v1(24.8,14.8) ; v1(17.7,7.7) 22.67,7.7 22.76,7.61 22.76,7.55 22.85,7.46 22.97,7.46 23.06,7.55 23.06,7.85 23.15,7.94 23.27,7.94 23.36,7.85 23.36,7.45 23.45,7.36 23.57,7.36 23.66,7.45 23.66,7.85 23.75,7.94 23.87,7.94 23.96,7.85 23.96,7.3 24.05,7.21 24.17,7.21 24.26,7.3 24.26,7.85 24.35,7.94 24.47,7.94 24.56,7.85 24.56,7.35 24.65,7.26 24.77,7.26 24.86,7.35 24.86,8 24.95,8.09 25.07,8.09 25.16,8 25.16,7.4 25.25,7.31 25.37,7.31 25.46,7.4 25.46,7.61 25.55,7.7 v1(25.7,7.7) 26.22,7.7 26.31,7.61 26.31,7.61 26.4,7.52 26.52,7.52 26.61,7.61 26.61,8.19 26.7,8.28 26.82,8.28 26.91,8.19 26.91,7.61 27,7.52 27.12,7.52 27.21,7.61 27.21,8.09 27.3,8.18 27.42,8.18 27.51,8.09 27.51,7.61 27.6,7.52 27.72,7.52 27.81,7.61 27.81,7.79 27.9,7.88 28.02,7.88 28.11,7.79 28.11,7.79 28.2,7.7 31.77,7.7 32.03,7.44 32.03,7.26 32.4,6.9 34.8,6.9 v1(35.2,7.3)